# Altium PCB RFFE-Ver1A.PcbDoc (part 3 of 7) (continued)
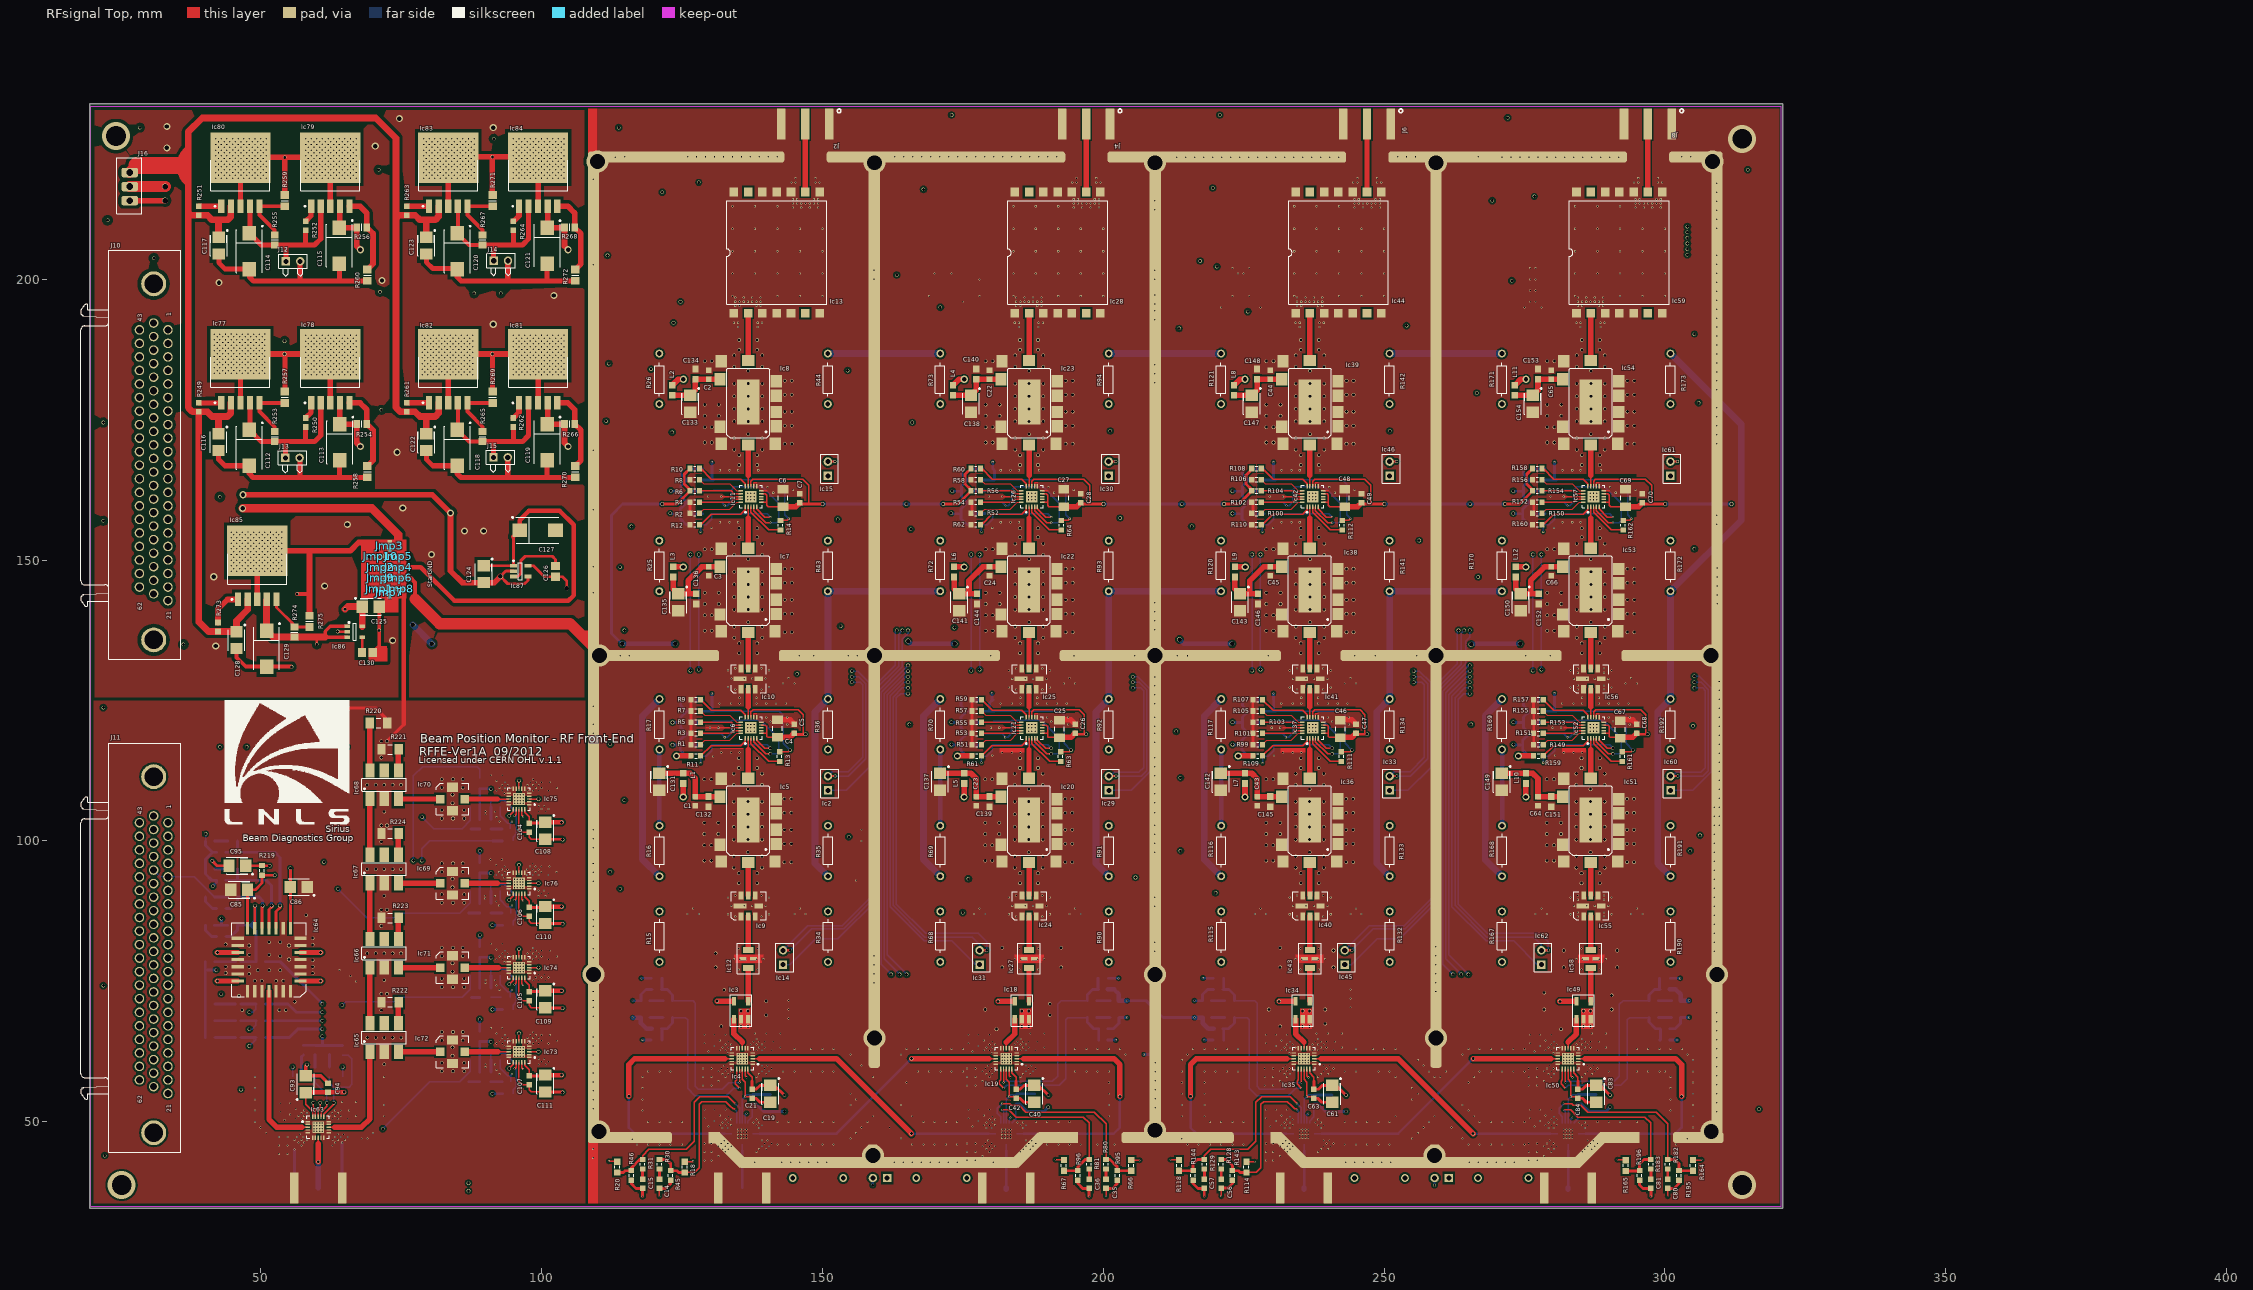
[diagram p0: RFsignal Top view]
## Nets (pads, with @x,y where several pads share a name; then routed paths per layer and width w, separated by ;. In a path a pad name is that pad's centre, name@x,y a point inside that pad or via, vN(x,y) a via of type N, cw(c..) or ccw(c..) an arc to the next point about the centre after c; other vN are vias at no path point) (continued)
  RFsignal Top w0.9: R267.1@89.5,206.1 96.6,206.1 97.698,207.198 Ic84.2@97.698,213 ; J14.1@91.45,203.3 91.45,206.1 ; 95,206.1 R264.2@95,208.7
NetC124_2: C124.2 Ic87.2 Ic87.4 J10.23 J16.3 | length 160.1
  RFsignal Top w0.508: Ic87.2@95,148.05 93.65,148.05 v7(92.7,147.1) 94,145.8 97,145.8 97.6,146.4 Ic87.4@97.6,147.1
  RFsignal Top w1: J16.3@26.7,214 v11(33,214) ; v5(46.84,161.63) 80.57,161.63 v5(83.8,158.4) 83.8,148.1 85.9,146 91.6,146 v7(92.7,147.1)
  Supply w0.254: 29.637,192.163 29.637,191.118 J10.23@30.96,189.795
  Supply w0.508: J16.3@26.7,214 25.4,212.7 25.4,196.4 29.637,192.163
  Supply w1.2: v11(33,214) 39.54,207.46 39.54,167.59 45.5,161.63 v5(46.84,161.63)
NetC126_1: C126.1 Ic87.3 | length 11.7
  RFsignal Top w0.508: Ic87.3@95,147.1 95.8,147.1 96.3,147.6 96.3,149.9 97.1,150.7 101.9,150.7 102.5,150.1 C126.1@102.5,148.95
NetC130_1: C130.1 Ic86.4 | length 2.7
  RFsignal Top w0.508: C130.1@68.1,133.65 Ic86.4@68.1,136.3
NetD1_1: D1.1 Ic64.14 R205.2 R209.2 R215.2 | length 39
  RFsignal Top w0.508: Ic64.14@50.22,84.48 v2@50.22,88.22
  Digital signal w0.127: v2(48,69.5) 49.633,69.5 50.903,70.771 50.903,75.803 50.34,76.367 v2@50.34,88.49
  RFsignal Bottom w0.254: v2(48,69.5) 48.58,69.5 49.15,70.07 R205.2@49.15,71
  RFsignal Bottom w0.508: R209.2@43.85,88 44.65,88 45.85,89.2 R215.2@45.85,90 49.75,90 50.35,89.4 v2(50.35,88.5) ; D1.1@46.5,71 R205.2@49.15,71
NetD1_2: D1.2 R198.2 | length 3.6
  RFsignal Bottom w0.508: R198.2@41.85,71 D1.2@45.5,71
NetD2_1: D2.1 Ic64.13 R203.2 R210.2 R216.2 | length 23.1
  RFsignal Top w0.508: Ic64.13@48.95,84.48 v2@48.95,88.45
  RFsignal Bottom w0.508: R210.2@43.85,83 44.75,83 45.85,84.1 R216.2@45.85,85 48.2,85 ; D2.1@46.5,78.5 R203.2@49.15,78.5 49.15,84.05 48.2,85 ; v2(49,88.5) 49,85.8 48.2,85
NetD2_2: D2.2 R197.2 | length 3.6
  RFsignal Bottom w0.508: R197.2@41.85,78.5 D2.2@45.5,78.5
NetD3_1: D3.1 Ic64.16 R202.2 R211.2 R217.2 | length 57.3
  RFsignal Top w0.508: Ic64.16@52.76,84.48 52.76,87.448 53.5,88.188 v2@53.5,88.5
  Digital signal w0.127: v2(48,63.5) 49.13,63.5 52.047,66.417 ; 52.047,66.448 52.047,75.745 52.4,76.098 52.4,82 53.47,83.07 v2@53.47,88.48
  RFsignal Bottom w0.254: v2(48,63.5) 49.15,64.65 R202.2@49.15,65
  RFsignal Bottom w0.508: R217.2@43.85,98 52.5,98 53.45,97.05 v2(53.45,88.5) ; 45.85,98.05 R211.2@45.85,100 ; D3.1@46.5,65 R202.2@49.15,65
NetD3_2: D3.2 R199.2 | length 3.6
  RFsignal Bottom w0.508: R199.2@41.85,65 D3.2@45.5,65
NetD4_1: D4.1 Ic64.15 R201.2 R212.2 R218.2 | length 47.5
  RFsignal Top w0.508: Ic64.15@51.49,84.48 51.49,87.794 52,88.304 v2@52,88.5
  Digital signal w0.127: v2(48,66.5) 51.59,70.09 51.59,75.916 50.797,76.709 50.797,82.297 51.95,83.45 v2(51.95,88.5)
  RFsignal Bottom w0.254: v2(48,66.5) 48.49,66.5 49.15,67.16 R201.2@49.15,68
  RFsignal Bottom w0.508: R218.2@43.85,93 51,93 51.95,92.05 v2(51.95,88.5) ; 45.85,93 R212.2@45.85,95 ; D4.1@46.5,68 R201.2@49.15,68
NetD4_2: D4.2 R200.2 | length 3.6
  RFsignal Bottom w0.508: R200.2@41.85,68 D4.2@45.5,68
NetIc1_3: Ic1.3 Ic19.13 | length 48.8
  RFsignal Top w0.254: 179.65,61.25 Ic19.13@180.905,61.25
  RFsignal Top w0.965: v8(165.87,61.25) 179.65,61.25
  RFsignal Bottom w0.254: Ic1.3@137.595,47.9 138.9,47.9
  RFsignal Bottom w0.45: 138.9,47.9 152.52,47.9 v8(165.87,61.25)
NetIc1_8: Ic1.8 J1.5 | length 7.8
  RFsignal Bottom w0.25: 135.75,44.845 Ic1.8@135.75,46.055
  RFsignal Bottom w0.45: J1.5@135.751,38.25 135.751,44.844
NetIc1_13: Ic1.13 Ic4.13 | length 48.8
  RFsignal Top w0.254: 132.65,61.25 Ic4.13@133.905,61.25
  RFsignal Top w0.965: v8@115.54,54.58 115.54,60.19 116.6,61.25 132.65,61.25
  RFsignal Bottom w0.254: 132.6,47.9 Ic1.13@133.905,47.9
  RFsignal Bottom w0.45: v8(115.55,54.57) 115.55,48.95 116.6,47.9 132.6,47.9
NetIc1_16: Ic1.16 R18.1 R30.2 R45.2 | length 30.1
  RFsignal Top w0.254: R18.1@125.5,41 127.25,41 128.05,41.8 128.05,53.1 128.55,53.6 132.8,53.6 133.538,52.862 133.538,52.852 134.102,52.288 134.362,52.288 v3(134.5,52.15)
  RFsignal Top w0.508: R30.2@121,43.3 122.245,43.3 123,42.545 R45.2@123,41.3 124.13,41.3 124.43,41 R18.1@125.5,41
  RFsignal Bottom w0.254: v3(134.5,52.15) 134.75,51.9 Ic1.16@134.75,49.745
NetIc1_17: Ic1.17 R20.1 R31.2 R46.2 | length 35.7
  RFsignal Top w0.254: R31.2@118,43.3 118,43.992 119.108,45.1 125.75,45.1 127.161,46.511 127.161,53.468 128.182,54.489 133.261,54.489 v3(134.5,53.25)
  RFsignal Top w0.508: R20.1@113.5,41 114.584,41 114.884,41.3 R46.2@116,41.3 116,41.825 117.475,43.3 R31.2@118,43.3
  RFsignal Bottom w0.254: v3(134.5,53.25) 135.25,52.5 Ic1.17@135.25,49.745
NetIc2_1: Ic2.1 J10.38 | length 258.5
  CallTone RF w0.127: J10.38@30.96,153.645 34.087,153.645
  CallTone RF w0.254: 34.087,153.645 36.655,153.645 37.922,154.912 37.922,160.321 41.673,164.072 108.546,164.072 115.242,170.768 115.242,194.783 119.139,198.68 150.941,198.68 159.151,190.47 159.151,138.362 153.933,133.145 ; 153.94,133.138 153.88,133.078 153.88,131.62 v2(155.25,130.25)
  RFsignal Bottom w0.254: Ic2.1@151,109 154.24,109 158.28,113.04 158.28,128.259 156.289,130.25 v2(155.25,130.25)
NetIc2_2: Ic2.2 Ic2.3 J10.17 J10.39 | length 507
  CallTone RF w0.127: J10.39@30.96,151.235 34.087,151.235
  CallTone RF w0.254: J10.17@33.5,152.44 36.683,152.44 38.466,154.223 38.466,160.095 41.899,163.528 108.771,163.528 115.786,170.543 115.786,194.557 119.365,198.136 150.716,198.136 158.607,190.245 158.607,138.588 153.268,133.249 153.268,131.232 v2(155.25,129.25) ; 34.087,151.235 36.765,151.235 39.01,153.48 39.01,159.87 42.124,162.984 108.996,162.984 116.33,170.318 116.33,194.332 119.59,197.592 150.491,197.592 158.063,190.02 158.063,138.813 152.571,133.321 152.571,130.929 v2(155.25,128.25)
  RFsignal Bottom w0.254: Ic2.2@151,111.54 151.8,112.34 154.637,112.34 157.192,114.895 157.192,127.808 156.75,128.25 v2(155.25,128.25) ; Ic2.3@152.27,111.56 154.626,111.56 157.736,114.67 157.736,128.033 156.519,129.25 v2(155.25,129.25)
NetIc3_3: Ic3.3 Ic4.8 | length 5.8
  RFsignal Top w0.25: Ic4.8@135.75,63.095 135.75,64.18
  RFsignal Top w0.965: Ic3.3@134.25,68.3 134.25,65.68 135.75,64.18
NetIc3_4: Ic3.4 Ic73.8 | length 42.9
  RFsignal Top w0.254: Ic73.8@95.99,64.315 v2@95.99,65.74
  RFsignal Top w0.965: v2(131.25,71.5) Ic3.4@134,71.5
  CallTone RF w0.254: v2(96,65.75) 97.45,67.2 128.75,67.2 131.25,69.7 v2(131.25,71.5)
NetIc3_6: Ic3.6 Ic12.1 | length 5.9
  RFsignal Top w0.965: Ic3.6@136.79,71.45 136.79,77.36 Ic12.1@136.8,77.37
NetIc4_3: Ic4.3 Ic17.13 | length 48.8
  RFsignal Top w0.254: Ic4.3@137.595,61.25 138.85,61.25
  RFsignal Top w0.965: 138.85,61.25 152.49,61.25 v8(165.84,47.9)
  RFsignal Bottom w0.254: 179.6,47.9 Ic17.13@180.905,47.9
  RFsignal Bottom w0.45: v8(165.84,47.9) 179.6,47.9
NetIc4_16: Ic4.16 R21.2 R32.2 R47.2 | length 34.5
  RFsignal Top w0.254: Ic4.16@134.75,59.405 134.75,57.5 134.5,57.25 134.5,56.75 v3(135.25,56)
  RFsignal Bottom w0.254: R32.2@123.35,68.57 125.63,68.57 126,68.2 126,55.95 127.3,54.65 132.9,54.65 134.25,56 v3(135.25,56)
  RFsignal Bottom w0.508: R47.2@121.35,66.57 122.32,66.57 123.35,67.6 R32.2@123.35,68.57 ; R21.2@121.45,64.57 R47.2@121.45,66.47
NetIc4_17: Ic4.17 R19.2 R33.2 R48.2 | length 35.4
  RFsignal Top w0.254: v3(135.25,57) Ic4.17@135.25,59.405
  RFsignal Bottom w0.254: R33.2@123.35,71.57 126.98,71.57 127.4,71.15 127.4,56.3 127.9,55.8 132.15,55.8 133.35,57 v3(135.25,57)
  RFsignal Bottom w0.508: R48.2@121.35,73.57 122.38,73.57 123.35,72.6 R33.2@123.35,71.57 ; R48.2@121.45,73.67 R19.2@121.45,75.57
NetIc5_5: Ic5.5 Ic6.2 | length 7.1
  RFsignal Top w0.254: 136.79,116.25 Ic6.2@136.79,118.305
  RFsignal Top w0.965: Ic5.5@136.79,111.16 136.79,116.25
NetIc5_10: Ic5.10 Ic9.6 | length 5.9
  RFsignal Top w0.965: Ic5.10@136.79,96.16 136.8,96.15 Ic9.6@136.8,90.3
NetIc6_1: Ic6.1 R11.2 | length 9.6
  RFsignal Top w0.254: R11.2@128.34,115.15 130.19,117 135.5,117 136.29,117.79 Ic6.1@136.29,118.305
NetIc6_3: Ic6.3 R13.2 | length 7.4
  RFsignal Top w0.254: Ic6.3@137.29,118.305 137.29,117.34 140.44,114.19 R13.2@142.41,114.19
NetIc6_4: Ic6.4 Ic11.4 J11.54 R23.2 R28.2 R38.2 R41.2 | length 269.1
  RFsignal Top w0.254: Ic6.4@137.79,118.305 137.79,117.64 139.93,115.5 v2(140.75,115.5) ; Ic11.4@137.79,159.475 137.79,158.81 139.93,156.67 v4(140.75,156.67)
  Digital signal w0.254: J11.54@28.42,76.74 22.257,82.903 22.257,118.737 31.742,128.222 85.772,128.222 107.54,149.99 126.99,149.99 v2(128,151) 128,151.97 132.63,156.6 v4(132.63,159.71) ; v2(128,130.5) 132.63,125.87 v4(132.63,118.47)
  RFsignal Bottom w0.254: v2(128,130.5) 128,132.5 v2(128,151) ; R38.2@128.35,119.1 132,119.1 v4(132.63,118.47) 133.03,118.47 133.75,119.19 133.75,121.3 ; R41.2@128.35,160.27 132.07,160.27 v4(132.63,159.71) 133.1,159.71 133.75,160.36 133.75,162.47 ; R23.2@130.35,121.1 130.55,121.3 133.75,121.3 ; R28.2@130.55,162.47 133.75,162.47 ; v2(140.75,115.5) 141.9,115.5 142.2,115.8 142.2,118.3 139,121.5 133.95,121.5 133.75,121.3 ; v4(140.75,156.67) 141.9,156.67 142.2,156.97 142.2,160.17 139.33,163.04 134.32,163.04 133.75,162.47
NetIc6_5: Ic6.5 Ic11.5 J11.55 R24.2 R29.2 R39.2 R42.2 | length 245.5
  RFsignal Top w0.254: Ic6.5@138.29,118.305 138.29,117.94 139.73,116.5 v2(140.75,116.5) ; Ic11.5@138.29,159.475 138.29,159.11 139.73,157.67 v4(140.75,157.67)
  Digital signal w0.254: J11.55@28.42,74.33 21.713,81.037 21.713,118.962 31.517,128.766 85.547,128.766 107.781,151 v2(126.5,151) 126.5,153.21 v4(128.33,155.04) ; v2(126.5,130.33) 128.33,128.5 v4@128.33,113.92
  RFsignal Bottom w0.254: v2(126.5,130.33) v2(126.5,151) ; v4(128.33,113.87) R39.2@128.33,115.08 ; v4(128.33,155.04) R42.2@128.33,156.25 ; R39.2@128.35,115.1 129.35,115.1 130.35,116.1 R24.2@130.35,117.1 140.15,117.1 v2(140.75,116.5) ; R42.2@128.35,156.27 129.35,156.27 130.35,157.27 130.35,158.27 140.15,158.27 v4(140.75,157.67)
NetIc6_14: Ic6.14 Ic10.2 | length 5
  RFsignal Top w0.254: Ic6.14@136.79,121.995 136.79,123.9
  RFsignal Top w0.965: 136.79,123.9 Ic10.2@136.79,127
NetIc6_15: Ic6.15 R9.2 | length 9.5
  RFsignal Top w0.254: R9.2@128.34,125.15 130.24,123.25 135.5,123.25 136.29,122.46 Ic6.15@136.29,121.995
NetIc6_16: Ic6.16 R7.2 | length 7.9
  RFsignal Top w0.2: R7.2@128.34,123.15 129.082,122.408 133.482,122.408 134.74,121.15 Ic6.16@135.445,121.15
NetIc6_17: Ic6.17 R5.2 | length 7.3
  RFsignal Top w0.254: R5.2@128.34,121.15 133.75,121.15 134.25,120.65 Ic6.17@135.445,120.65
NetIc6_19: Ic6.19 R3.2 | length 7.3
  RFsignal Top w0.254: R3.2@128.34,119.15 133.75,119.15 134.25,119.65 Ic6.19@135.445,119.65
NetIc6_20: Ic6.20 R1.2 | length 7.9
  RFsignal Top w0.2: R1.2@128.35,117.15 129.1,117.9 133.5,117.9 ; 133.5,117.91 134.74,119.15 Ic6.20@135.445,119.15
NetIc7_5: Ic7.5 Ic11.2 | length 7.4
  RFsignal Top w0.254: 136.79,157.42 Ic11.2@136.79,159.475
  RFsignal Top w0.965: Ic7.5@136.79,152.11 136.79,157.42
NetIc7_10: Ic7.10 Ic10.6 | length 6.4
  RFsignal Top w0.965: Ic10.6@136.79,130.73 Ic7.10@136.79,137.11
NetIc8_5: Ic8.5 Ic13.2 | length 8.4
  RFsignal Top w0.965: Ic8.5@136.8,185.52 Ic13.2@136.8,193.95
NetIc8_10: Ic8.10 Ic11.14 | length 7.3
  RFsignal Top w0.254: Ic11.14@136.79,163.165 136.79,165.07
  RFsignal Top w0.965: 136.8,165.08 Ic8.10@136.8,170.52
NetIc9_2: Ic9.2 Ic12.3 | length 6
  RFsignal Top w0.965: Ic12.3@136.8,80.62 Ic9.2@136.8,86.57
NetIc11_1: Ic11.1 R12.2 | length 9.6
  RFsignal Top w0.254: R12.2@128.34,156.32 130.19,158.17 135.5,158.17 136.29,158.96 Ic11.1@136.29,159.475
NetIc11_3: Ic11.3 R14.2 | length 7.5
  RFsignal Top w0.254: Ic11.3@137.29,159.475 137.29,158.51 140.42,155.38 R14.2@142.55,155.38
NetIc11_15: Ic11.15 R10.2 | length 9.5
  RFsignal Top w0.254: R10.2@128.34,166.32 130.24,164.42 135.5,164.42 136.29,163.63 Ic11.15@136.29,163.165
NetIc11_16: Ic11.16 R8.2 | length 8.1
  RFsignal Top w0.2: R8.2@128.14,164.32 128.882,163.578 133.482,163.578 134.74,162.32 Ic11.16@135.445,162.32
NetIc11_17: Ic11.17 R6.2 | length 7.3
  RFsignal Top w0.254: R6.2@128.34,162.32 133.75,162.32 134.25,161.82 Ic11.17@135.445,161.82
NetIc11_19: Ic11.19 R4.2 | length 7.3
  RFsignal Top w0.254: R4.2@128.34,160.32 133.75,160.32 134.25,160.82 Ic11.19@135.445,160.82
NetIc11_20: Ic11.20 R2.2 | length 8.1
  RFsignal Top w0.2: R2.2@128.14,158.32 128.89,159.07 133.5,159.07 ; 133.5,159.08 134.74,160.32 Ic11.20@135.445,160.32
NetIc13_9: Ic13.9 J2.5 | length 12.1
  RFsignal Top w0.965: Ic13.9@146.96,215.54 J2.5@146.96,227.65
NetIc14_1: Ic14.1 J10.15 | length 290.7
  CallTone RF w0.254: J10.15@33.853,157.26 36.29,159.697 36.29,161.132 40.958,165.8 107.83,165.8 113.514,171.484 113.514,195.363 118.559,200.408 151.521,200.408 160.783,191.146 160.783,142.055 165.25,137.588 v2(165.25,137.5)
  RFsignal Bottom w0.254: Ic14.1@143,78 144.17,78 148.79,82.62 152.779,82.62 159.912,89.753 159.912,126.662 164.239,130.989 164.239,135.957 165.25,136.968 v2(165.25,137.5)
NetIc14_2: Ic14.2 Ic14.3 J10.16 J10.37 | length 579
  CallTone RF w0.127: J10.37@30.96,156.055 34.087,156.055
  CallTone RF w0.254: J10.16@33.5,154.85 35.82,154.85 37.378,156.408 37.378,160.546 41.448,164.616 108.32,164.616 114.698,170.994 114.698,195.008 118.914,199.224 151.167,199.224 159.695,190.696 159.695,141.055 v2(163.25,137.5) ; 34.087,156.055 35.565,156.055 36.834,157.324 36.834,160.771 41.223,165.16 108.095,165.16 114.154,171.219 114.154,195.233 118.689,199.768 151.392,199.768 160.239,190.921 160.239,141.511 v2(164.25,137.5)
  RFsignal Bottom w0.254: Ic14.2@143,80.54 147.39,84.93 153.55,84.93 158.824,90.204 158.824,127.113 163,131.289 163,137.25 v2(163.25,137.5) ; Ic14.3@144.27,80.56 148.096,84.386 153.775,84.386 159.368,89.979 159.368,126.887 163.6,131.119 163.6,136.85 v2(164.25,137.5)
NetIc15_1: Ic15.1 J10.18 | length 188.2
  CallTone RF w0.254: J10.18@33.5,150.03 36.66,150.03 39.554,152.924 39.554,155.071 42.273,157.79 48.031,157.79 52.681,162.44 109.222,162.44 116.874,170.092 116.874,191.105 120.169,194.401 152.913,194.401 157.519,189.794 157.519,166.75 155.769,165 Ic15.1@150.98,165
NetIc15_2: Ic15.2 Ic15.3 J10.19 J10.40 | length 369.8
  CallTone RF w0.127: J10.40@30.96,148.825 34.087,148.825
  CallTone RF w0.254: J10.19@33.5,147.62 36.74,147.62 40.642,151.522 40.642,154.62 42.724,156.702 48.482,156.702 53.132,161.352 109.672,161.352 117.962,169.642 117.962,190.655 120.62,193.313 152.438,193.313 156.431,189.319 156.431,169.5 155.306,168.375 151.815,168.375 Ic15.2@150.98,167.54 ; 34.087,148.825 36.64,148.825 40.098,152.283 40.098,154.845 42.499,157.246 48.257,157.246 52.907,161.896 109.447,161.896 117.418,169.867 117.418,190.88 120.395,193.857 152.663,193.857 156.975,189.544 156.975,169.125 155.41,167.56 Ic15.3@152.25,167.56
NetIc16_1: Ic16.1 J10.11 | length 320
  CallTone RF w0.254: J10.11@33.657,166.743 39.079,166.743 45.954,173.618 104.736,173.618 109.352,178.234 109.352,196.441 115.624,202.713 151.524,202.713 162.415,191.822 162.415,143.23 168.452,137.193 168.452,132.452 v2(165.25,129.25)
  Digital signal w0.254: Ic16.1@161.54,40 163.1,41.56 163.1,42.326 163.347,42.573 163.347,43.027 163.1,43.274 163.1,65.8 165.7,68.4 165.7,75.55 v2(165,76.25)
  RFsignal Bottom w0.254: v2(165,76.25) 161.544,79.706 161.544,126.066 164.728,129.25 v2(165.25,129.25)
NetIc16_2: Ic16.2 Ic16.3 J10.12 J10.33 | length 647.6
  CallTone RF w0.127: J10.33@30.96,165.695 34.087,165.695
  CallTone RF w0.254: J10.12@33.5,164.49 35.49,164.49 36.655,165.655 39.53,165.655 46.405,172.53 105.187,172.53 110.44,177.783 110.44,195.99 116.075,201.625 151.074,201.625 161.327,191.372 161.327,142.624 167.238,136.713 167.238,133.238 v2(165.25,131.25) ; 34.087,165.695 34.945,165.695 35.449,166.199 39.305,166.199 46.18,173.074 104.961,173.074 109.896,178.009 109.896,196.215 115.85,202.169 151.299,202.169 161.871,191.597 161.871,142.94 167.845,136.966 167.845,132.845 v2(165.25,130.25)
  Digital signal w0.254: Ic16.3@158.98,38.73 157.894,38.73 155.5,41.124 155.5,45.048 161.6,51.148 161.6,66.7 163,68.1 163,75.5 v2(162.25,76.25) ; Ic16.2@159,40 158.75,39.75 157.544,39.75 156.044,41.25 156.044,44.922 162.4,51.278 162.4,66.3 164.3,68.2 164.3,75.7 v2(163.75,76.25)
  RFsignal Bottom w0.254: v2(162.25,76.25) 160.456,78.044 160.456,126.456 v2(165.25,131.25) ; v2(163.75,76.25) 161,79 161,126.237 165.013,130.25 v2@165.245,130.25
NetIc17_3: Ic17.3 Ic19.3 | length 48.8
  RFsignal Top w0.254: Ic19.3@184.595,61.25 185.85,61.25
  RFsignal Top w0.965: 185.85,61.25 201.88,61.25 202.96,60.17 v8(202.96,54.52)
  RFsignal Bottom w0.254: Ic17.3@184.595,47.9 185.9,47.9
  RFsignal Bottom w0.45: 185.9,47.9 201.88,47.9 202.96,48.98 v8(202.96,54.52)
NetIc17_8: Ic17.8 J3.5 | length 8.1
  RFsignal Bottom w0.25: 182.75,44.845 Ic17.8@182.75,46.055
  RFsignal Bottom w0.45: J3.5@182.751,38.25 182.751,44.844
  RFsignal Bottom w0.965: J3.5@182.751,38 J3.5@182.751,38.25
NetIc17_16: Ic17.16 R66.1 R80.2 R95.2 | length 36.3
  RFsignal Top w0.254: v3(182,53.25) 183.372,53.25 183.684,52.938 185.025,52.938 186.225,51.738 198.412,51.738 200.5,49.65 R80.2@200.5,43.3
  RFsignal Top w0.508: R80.2@200.5,43.3 201.2,43.3 202.5,42 R95.2@202.5,41.3 204.7,41.3 R66.1@205,41
  RFsignal Bottom w0.254: Ic17.16@181.75,49.745 181.75,50.95 181.15,51.55 181.15,52.4 v3(182,53.25)
NetIc17_17: Ic17.17 R67.1 R81.2 R96.2 | length 31.2
  RFsignal Top w0.254: v3(182,52.15) 183.215,52.15 184.516,50.849 196.451,50.849 197.5,49.8 R81.2@197.5,43.3
  RFsignal Top w0.508: R67.1@193,41.3 195.5,41.3 195.5,42 196.8,43.3 R81.2@197.5,43.3
  RFsignal Bottom w0.254: v3(182,52.15) 182.25,51.9 Ic17.17@182.25,49.745
NetIc18_3: Ic18.3 Ic19.8 | length 5.8
  RFsignal Top w0.25: Ic19.8@182.75,63.095 182.75,64.18
  RFsignal Top w0.965: 182.75,64.18 184.25,65.68 Ic18.3@184.25,68.3
NetIc18_4: Ic18.4 Ic74.8 | length 94.3
  RFsignal Top w0.254: Ic74.8@95.99,79.315 v2@95.99,80.74
  RFsignal Top w0.965: v2(181.29,71.45) Ic18.4@184,71.45
  CallTone RF w0.2: v2(96,80.75) 97.2,81.95 161.15,81.95 171.65,71.45 v2(181.29,71.45)
NetIc18_6: Ic18.6 Ic27.1 | length 5.9
  RFsignal Top w0.965: Ic18.6@186.79,71.45 186.79,77.36 Ic27.1@186.8,77.37
NetIc19_16: Ic19.16 R71.2 R82.2 R97.2 | length 35.3
  RFsignal Top w0.254: Ic19.16@181.75,59.405 181.75,57.5 181.5,57.25 181.5,56.75 v3(182.25,56)
  RFsignal Bottom w0.254: v3(182.25,56) 182.8,56.55 192.15,56.55 193.3,57.7 193.3,68.15 193.72,68.57 R82.2@197.15,68.57
  RFsignal Bottom w0.508: R82.2@197.15,68.57 197.15,67.75 198.33,66.57 R97.2@199.15,66.57 ; R71.2@199.2,64.57 R97.2@199.2,66.52
NetIc19_17: Ic19.17 R65.2 R83.2 R98.2 | length 36.1
  RFsignal Top w0.254: v3(182.25,57) Ic19.17@182.25,59.405
  RFsignal Bottom w0.254: v3(182.25,57) 182.449,57.199 190.949,57.199 191.9,58.15 191.9,70.9 192.57,71.57 R83.2@197.15,71.57
  RFsignal Bottom w0.508: R83.2@197.15,71.57 197.15,72.6 198.12,73.57 R98.2@199.15,73.57 ; R98.2@199.05,73.67 R65.2@199.05,75.57
NetIc20_5: Ic20.5 Ic21.2 | length 7.1
  RFsignal Top w0.254: 186.79,116.25 Ic21.2@186.79,118.305
  RFsignal Top w0.965: Ic20.5@186.79,111.16 186.79,116.25
NetIc20_10: Ic20.10 Ic24.6 | length 5.9
  RFsignal Top w0.965: Ic20.10@186.79,96.16 186.8,96.15 Ic24.6@186.8,90.3
NetIc21_1: Ic21.1 R61.2 | length 9.6
  RFsignal Top w0.254: R61.2@178.34,115.15 180.19,117 185.5,117 186.29,117.79 Ic21.1@186.29,118.305
NetIc21_3: Ic21.3 R63.2 | length 7.4
  RFsignal Top w0.254: Ic21.3@187.29,118.305 187.29,117.34 190.44,114.19 R63.2@192.41,114.19
NetIc21_4: Ic21.4 Ic26.4 J11.51 R75.2 R78.2 R85.2 R88.2 | length 310
  RFsignal Top w0.254: Ic21.4@187.79,118.305 187.79,117.64 189.93,115.5 v2(190.75,115.5) ; Ic26.4@187.79,159.475 187.79,158.81 189.93,156.67 v4(190.75,156.67)
  Digital signal w0.254: J11.51@28.42,83.97 23.889,88.501 23.889,118.061 32.418,126.59 89.5,126.59 109.402,146.492 139.502,146.492 144.002,150.992 171.83,150.992 172.842,149.98 177.21,149.98 178,150.77 v2(178,151) 178,151.97 182.63,156.6 v4(182.63,159.71) ; v2(178,130.5) 182.53,125.97 v4(182.53,118.47)
  RFsignal Bottom w0.254: v2(178,130.5) v2(178,151) ; R85.2@178.25,119.1 182,119.1 182.63,118.47 183.03,118.47 183.65,119.09 183.65,121.3 ; R88.2@178.35,160.27 182.07,160.27 v4(182.63,159.71) 183.1,159.71 183.75,160.36 183.75,162.47 ; R75.2@180.45,121.3 183.65,121.3 ; R78.2@180.55,162.47 183.75,162.47 ; v2(190.75,115.5) 191.9,115.5 192.2,115.8 192.2,118.3 189,121.5 183.85,121.5 183.65,121.3 ; v4(190.75,156.67) 191.9,156.67 192.2,156.97 192.2,160.17 189.33,163.04 184.32,163.04 183.75,162.47
NetIc21_5: Ic21.5 Ic26.5 J11.52 R76.2 R79.2 R86.2 R89.2 | length 285.9
  RFsignal Top w0.254: Ic21.5@188.29,118.305 188.29,117.94 189.73,116.5 v2(190.75,116.5) ; Ic26.5@188.29,159.475 188.29,159.11 189.73,157.67 v4(190.75,157.67)
  Digital signal w0.254: J11.52@28.42,81.56 23.345,86.635 23.345,118.286 32.193,127.134 89.261,127.134 109.163,147.036 131.939,147.036 133.732,148.829 141.056,148.829 143.773,151.546 173.39,151.546 173.936,151 v2(176.5,151) 176.5,153.21 v4(178.33,155.04) ; v2(176.5,130.33) 178.33,128.5 v4(178.33,113.92)
  RFsignal Bottom w0.254: v2(176.5,130.33) v2(176.5,151) ; v4(178.33,113.92) R86.2@178.33,115.08 ; v4(178.33,155.04) R89.2@178.33,156.25 ; R86.2@178.35,115.1 179.25,115.1 180.25,116.1 R76.2@180.25,117.1 ; R89.2@178.35,156.27 179.35,156.27 180.35,157.27 180.35,158.27 190.15,158.27 v4(190.75,157.67) ; R76.2@180.35,117.1 190.15,117.1 v2(190.75,116.5)
  RFsignal Bottom w0.508: R86.2@178.35,115.1 R86.2@178.35,115.15
NetIc21_14: Ic21.14 Ic25.2 | length 5
  RFsignal Top w0.254: Ic21.14@186.79,121.995 186.79,123.9
  RFsignal Top w0.965: 186.79,123.9 Ic25.2@186.79,127
NetIc21_15: Ic21.15 R59.2 | length 9.5
  RFsignal Top w0.254: R59.2@178.34,125.15 180.24,123.25 185.5,123.25 186.29,122.46 Ic21.15@186.29,121.995
NetIc21_16: Ic21.16 R57.2 | length 7.9
  RFsignal Top w0.2: R57.2@178.34,123.15 179.082,122.408 183.482,122.408 184.74,121.15 Ic21.16@185.445,121.15
NetIc21_17: Ic21.17 R55.2 | length 7.3
  RFsignal Top w0.254: R55.2@178.34,121.15 183.75,121.15 184.25,120.65 Ic21.17@185.445,120.65
NetIc21_19: Ic21.19 R53.2 | length 7.3
  RFsignal Top w0.254: R53.2@178.34,119.15 183.75,119.15 184.25,119.65 Ic21.19@185.445,119.65
NetIc21_20: Ic21.20 R51.2 | length 7.9
  RFsignal Top w0.2: R51.2@178.35,117.15 179.1,117.9 183.5,117.9 ; 183.5,117.91 184.74,119.15 Ic21.20@185.445,119.15
NetIc22_5: Ic22.5 Ic26.2 | length 7.4
  RFsignal Top w0.254: 186.79,157.42 Ic26.2@186.79,159.475
  RFsignal Top w0.965: Ic22.5@186.79,152.11 186.79,157.42
NetIc22_10: Ic22.10 Ic25.6 | length 6.4
  RFsignal Top w0.965: Ic25.6@186.79,130.73 Ic22.10@186.79,137.11
NetIc23_5: Ic23.5 Ic28.2 | length 8.4
  RFsignal Top w0.965: Ic23.5@186.8,185.52 Ic28.2@186.8,193.95
NetIc23_10: Ic23.10 Ic26.14 | length 7.3
  RFsignal Top w0.254: Ic26.14@186.79,163.165 186.79,165.07
  RFsignal Top w0.965: 186.8,165.08 Ic23.10@186.8,170.52
NetIc24_2: Ic24.2 Ic27.3 | length 6
  RFsignal Top w0.965: Ic27.3@186.8,80.62 Ic24.2@186.8,86.57
NetIc26_1: Ic26.1 R62.2 | length 9.6
  RFsignal Top w0.254: R62.2@178.34,156.32 180.19,158.17 185.5,158.17 186.29,158.96 Ic26.1@186.29,159.475
NetIc26_3: Ic26.3 R64.2 | length 7.5
  RFsignal Top w0.254: Ic26.3@187.29,159.475 187.29,158.51 190.42,155.38 R64.2@192.55,155.38
NetIc26_15: Ic26.15 R60.2 | length 9.5
  RFsignal Top w0.254: R60.2@178.34,166.32 180.24,164.42 185.5,164.42 186.29,163.63 Ic26.15@186.29,163.165
NetIc26_16: Ic26.16 R58.2 | length 8.1
  RFsignal Top w0.2: R58.2@178.14,164.32 178.882,163.578 183.482,163.578 184.74,162.32 Ic26.16@185.445,162.32
NetIc26_17: Ic26.17 R56.2 | length 7.3
  RFsignal Top w0.254: R56.2@178.34,162.32 183.75,162.32 184.25,161.82 Ic26.17@185.445,161.82
NetIc26_19: Ic26.19 R54.2 | length 7.3
  RFsignal Top w0.254: R54.2@178.34,160.32 183.75,160.32 184.25,160.82 Ic26.19@185.445,160.82
NetIc26_20: Ic26.20 R52.2 | length 8.1
  RFsignal Top w0.2: R52.2@178.14,158.32 178.89,159.07 183.49,159.07 184.74,160.32 Ic26.20@185.445,160.32
NetIc28_9: Ic28.9 J4.5 | length 12.1
  RFsignal Top w0.965: Ic28.9@196.96,215.54 J4.5@196.96,227.65
NetIc29_1: Ic29.1 J10.28 | length 300.3
  CallTone RF w0.127: J10.28@30.96,177.745 34.087,177.745
  CallTone RF w0.254: 34.087,177.745 37.495,177.745 38.75,179 67.454,179 70.394,181.94 70.394,189.991 88.715,208.312 89.746,208.312 89.842,208.408 203.564,208.408 207.173,204.799 207.173,137.889 204.005,134.721 204.005,129.75 204.434,129.321 v2@205.255,129.321
  RFsignal Bottom w0.254: Ic29.1@201,109 204.97,109 208.28,112.31 208.28,127.147 206.177,129.25 v2(205.25,129.25)
NetIc29_2: Ic29.2 Ic29.3 J10.7 J10.29 | length 592
  CallTone RF w0.127: J10.29@30.96,175.335 34.087,175.335
  CallTone RF w0.254: J10.7@33.5,176.54 37.29,176.54 39.206,178.456 67.679,178.456 71.034,181.811 71.034,189.861 88.941,207.768 203.434,207.768 206.629,204.573 206.629,138.196 203.255,134.822 203.255,129 204.005,128.25 v2(205.25,128.25) v2@205.255,128.25 ; 34.087,175.335 37.21,175.335 39.787,177.912 67.905,177.912 71.578,181.585 71.578,189.636 89.166,207.224 203.209,207.224 206.085,204.348 206.085,138.5 202.505,134.92 202.505,128.25 203.505,127.25 v2(205.255,127.25)
  RFsignal Bottom w0.254: Ic29.2@201.307,111.54 201.994,112.227 206.349,112.227 207.192,113.07 207.192,126.75 206.692,127.25 v2(205.255,127.25) ; Ic29.3@202.27,111.56 206.761,111.56 207.736,112.535 207.736,126.947 206.433,128.25 v2(205.25,128.25)
NetIc30_1: Ic30.1 J10.8 | length 236.3
  CallTone RF w0.254: J10.8@33.5,174.13 37.38,174.13 40.618,177.368 68.13,177.368 72.122,181.36 72.122,189.411 89.391,206.68 99.67,206.68 102.4,203.95 106.161,203.95 108.891,206.68 202.984,206.68 205.541,204.123 205.541,166.541 204,165 Ic30.1@200.98,165
NetIc30_2: Ic30.2 Ic30.3 J10.9 J10.30 | length 465.8
  CallTone RF w0.127: J10.30@30.96,172.925 34.087,172.925
  CallTone RF w0.254: J10.9@33.5,171.72 37.712,171.72 42.272,176.28 68.581,176.28 73.21,180.909 73.21,188.96 89.842,205.592 99.219,205.592 101.949,202.862 106.612,202.862 109.342,205.592 202.533,205.592 204.453,203.672 204.453,168.953 203.727,168.227 201.974,168.227 201.287,167.54 Ic30.2@200.98,167.54 ; 34.087,172.925 37.55,172.925 41.449,176.824 68.355,176.824 72.666,181.135 72.666,189.185 89.617,206.136 99.445,206.136 102.175,203.406 106.387,203.406 109.117,206.136 202.758,206.136 204.997,203.897 204.997,168.5 204.057,167.56 Ic30.3@202.25,167.56